# Altium PCB spd150.PcbDoc (part 8 of 15) (continued)
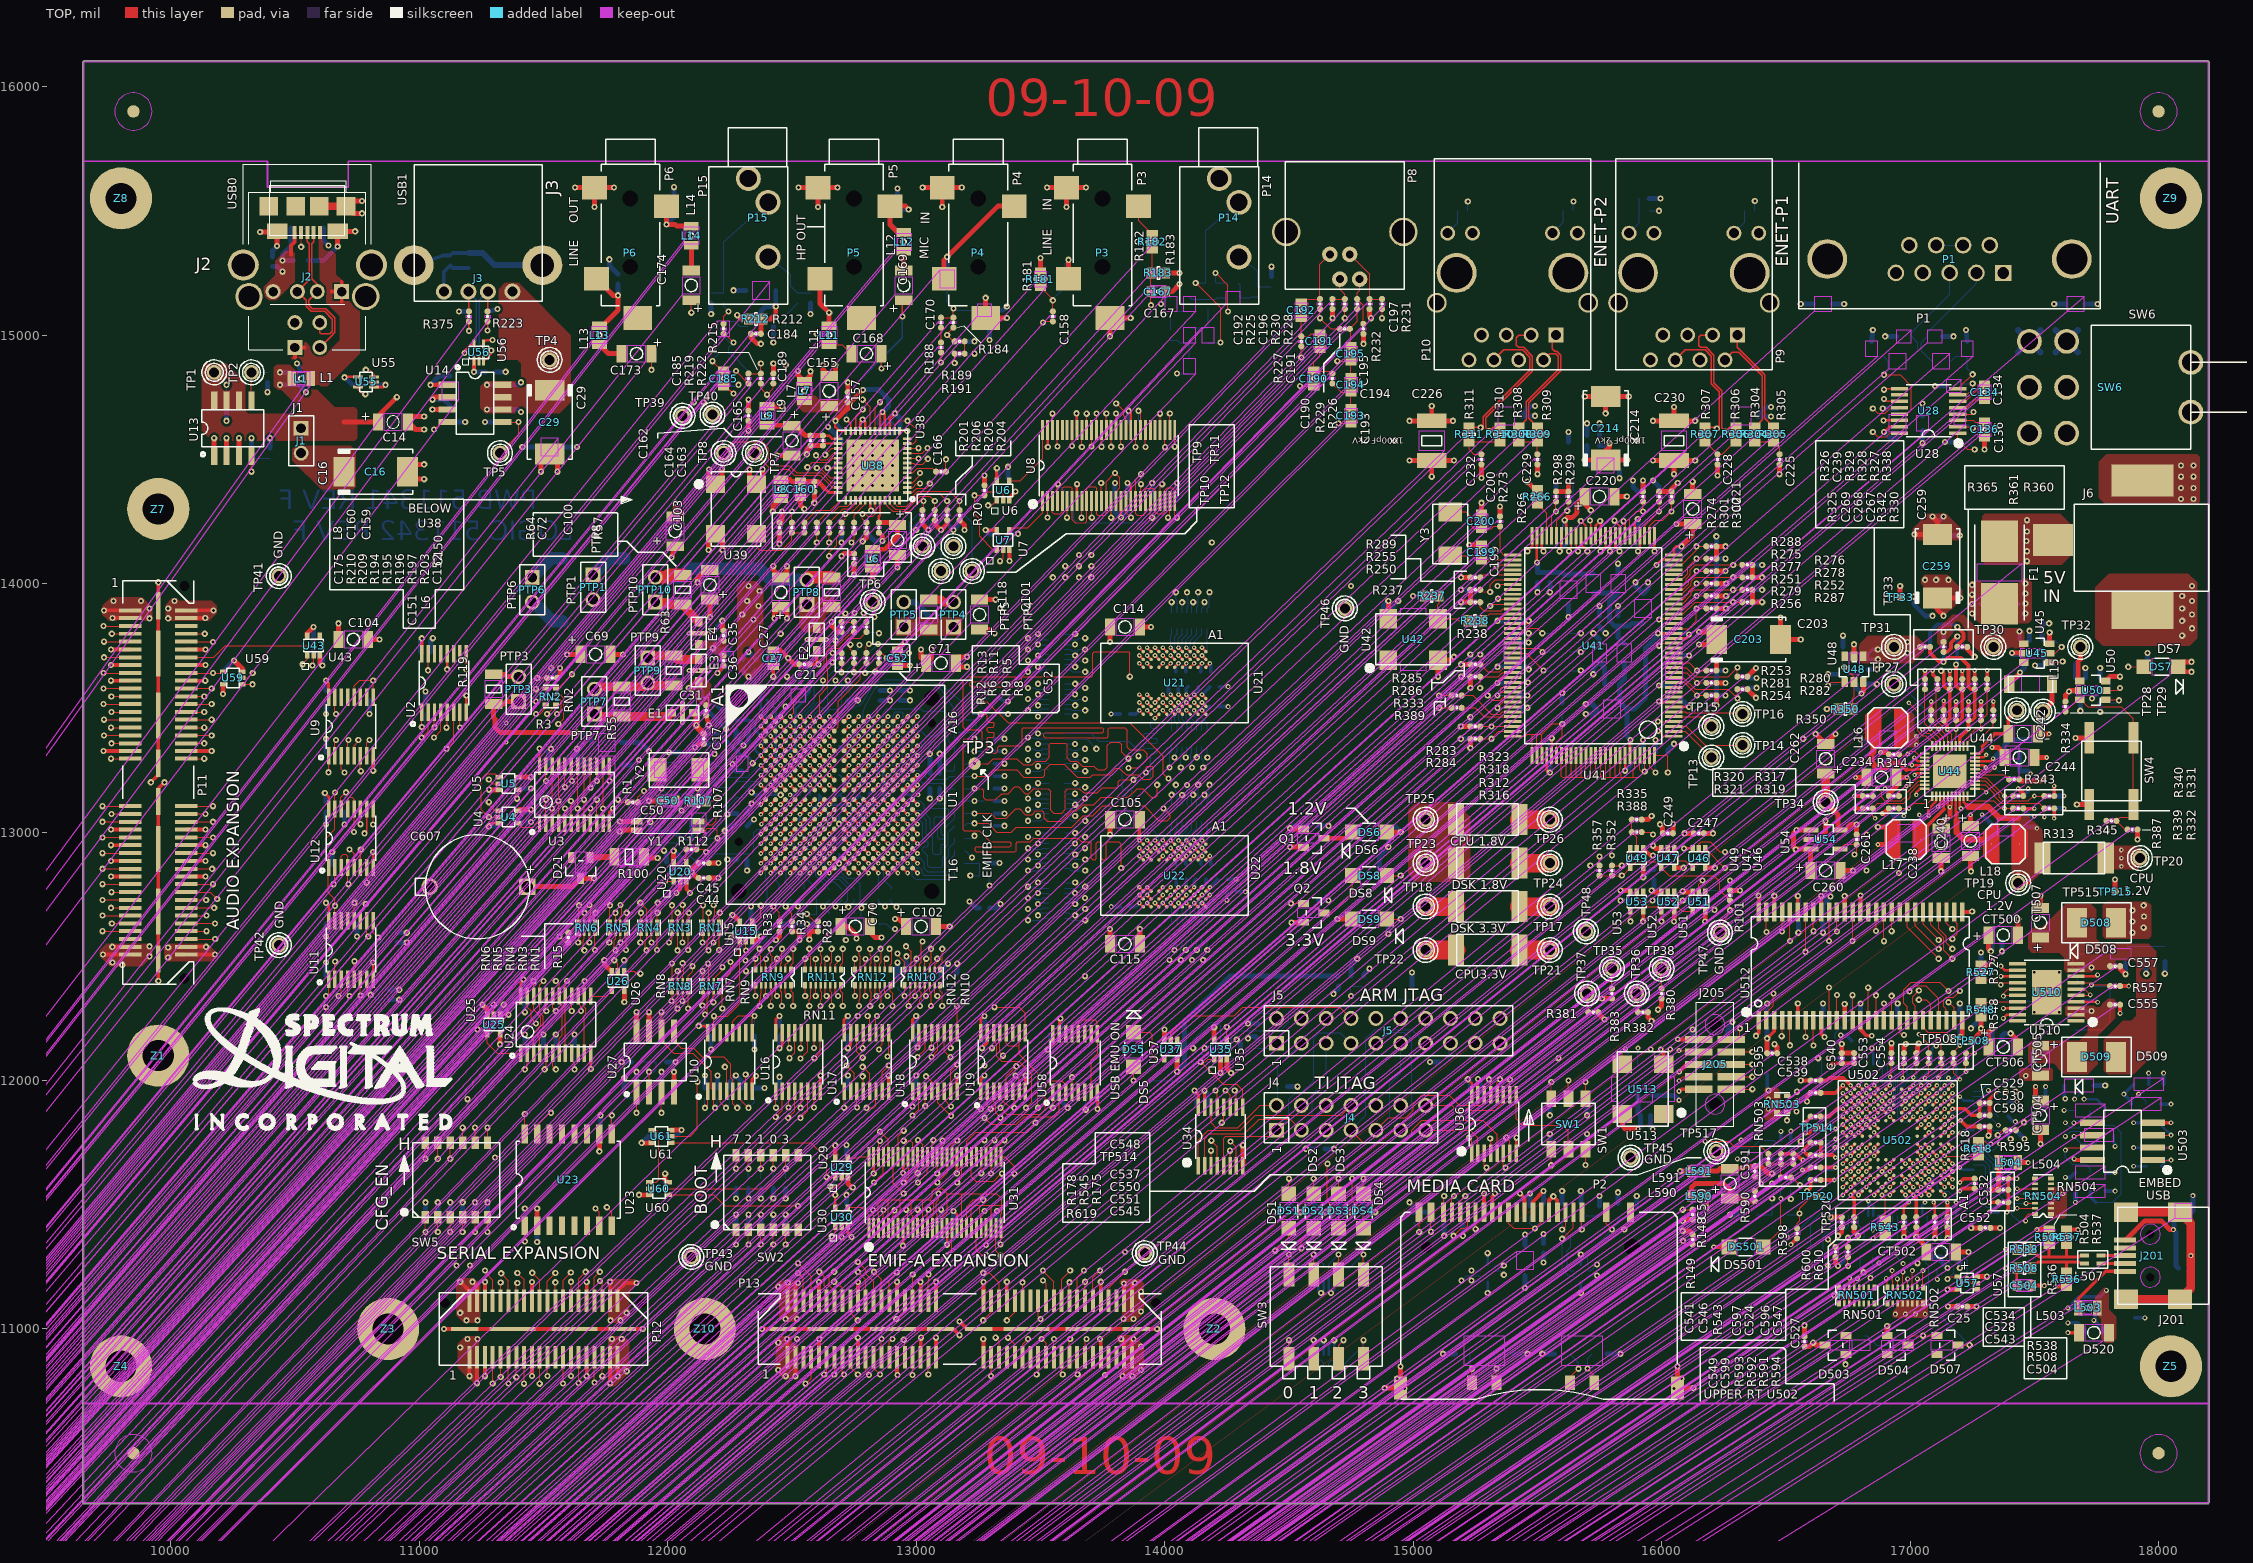
[diagram p0: TOP view]
## Nets (pads, with @x,y where several pads share a name; then routed paths per layer and width w, separated by ;. In a path a pad name is that pad's centre, name@x,y a point inside that pad or via, vN(x,y) a via of type N, cw(c..) or ccw(c..) an arc to the next point about the centre after c; other vN are vias at no path point) (continued)
  LYR2-PLN w10: 10395,12545 TP42.1@10435,12545 ; 10395,14030 TP41.1@10435,14030 ; 10412,15135 J2.4A@10412,15175 ; 10412,15215 J2.4A@10412,15175 ; 10435,12505 TP42.1@10435,12545 ; 10435,12585 TP42.1@10435,12545 ; 10435,13990 TP41.1@10435,14030 ; 10435,14070 TP41.1@10435,14030 ; 10452,15175 J2.4A@10412,15175 ; 10460,15050 J2.4B@10500,15050 ; 10475,12545 TP42.1@10435,12545 ; 10475,14030 TP41.1@10435,14030 ; 10500,15010 J2.4B@10500,15050 ; 10500,15090 J2.4B@10500,15050 ; 10540,15050 J2.4B@10500,15050 ; 10998.5,12780 C607.2@11042,12780 ; 11042,12736.5 C607.2@11042,12780 ; 11042,12823.5 C607.2@11042,12780 ; 11056.9,15175 J3.4@11099.4,15175 ; 11085.5,12780 C607.2@11042,12780 ; 11099.4,15132.5 J3.4@11099.4,15175 ; 11099.4,15217.5 J3.4@11099.4,15175 ; 11141.9,15175 J3.4@11099.4,15175 ; 12055,11290 TP43.1@12095,11290 ; 12095,11250 TP43.1@12095,11290 ; 12095,11330 TP43.1@12095,11290 ; 12135,11290 TP43.1@12095,11290 ; 12265,15630 P15.1@12325,15630 ; 12325,15570 P15.1@12325,15630 ; 12385,15630 P15.1@12325,15630 ; 13880,11305 TP44.1@13920,11305 ; 13920,11265 TP44.1@13920,11305 ; 13920,11345 TP44.1@13920,11305 ; 13960,11305 TP44.1@13920,11305 ; 14160,15630 P14.1@14220,15630 ; 14220,15570 P14.1@14220,15630 ; 14280,15630 P14.1@14220,15630 ; 14510,11900 J4.4@14550,11900 ; 14510,12250 J5.4@14550,12250 ; 14550,11860 J4.4@14550,11900 ; 14550,11940 J4.4@14550,11900 ; 14550,12210 J5.4@14550,12250 ; 14550,12290 J5.4@14550,12250 ; 14590,11900 J4.4@14550,11900 ; 14590,12250 J5.4@14550,12250 ; 14610,11900 J4.6@14650,11900 ; 14610,12250 J5.6@14650,12250 ; 14650,11860 J4.6@14650,11900 ; 14650,11940 J4.6@14650,11900 ; 14650,12210 J5.6@14650,12250 ; 14650,12290 J5.6@14650,12250 ; 14685,13900 TP46.1@14725,13900 ; 14690,11900 J4.6@14650,11900 ; 14690,12250 J5.6@14650,12250 ; 14725,13860 TP46.1@14725,13900 ; 14725,13940 TP46.1@14725,13900 ; 14765,13900 TP46.1@14725,13900 ; 14810,11900 J4.10@14850,11900 ; 14810,12250 J5.10@14850,12250 ; 14850,11860 J4.10@14850,11900 ; 14850,11940 J4.10@14850,11900 ; 14850,12210 J5.10@14850,12250 ; 14850,12290 J5.10@14850,12250 ; 14890,11900 J4.10@14850,11900 ; 14890,12250 J5.10@14850,12250 ; 14910,11900 J4.12@14950,11900 ; 14910,12250 J5.12@14950,12250 ; 14950,11860 J4.12@14950,11900 ; 14950,11940 J4.12@14950,11900 ; 14950,12210 J5.12@14950,12250 ; 14950,12290 J5.12@14950,12250 ; 14990,11900 J4.12@14950,11900 ; 14990,12250 J5.12@14950,12250 ; 15010,12250 J5.14@15050,12250 ; 15050,12210 J5.14@15050,12250 ; 15050,12290 J5.14@15050,12250 ; 15090,12250 J5.14@15050,12250 ; 15110,12250 J5.16@15150,12250 ; 15150,12210 J5.16@15150,12250 ; 15150,12290 J5.16@15150,12250 ; 15190,12250 J5.16@15150,12250 ; 15210,12250 J5.18@15250,12250 ; 15250,12210 J5.18@15250,12250 ; 15250,12290 J5.18@15250,12250 ; 15290,12250 J5.18@15250,12250 ; 15310,12250 J5.20@15350,12250 ; 15350,12210 J5.20@15350,12250 ; 15350,12290 J5.20@15350,12250 ; 15390,12250 J5.20@15350,12250 ; 15835,11690 TP45.1@15875,11690 ; 15875,11650 TP45.1@15875,11690 ; 15875,11730 TP45.1@15875,11690 ; 15915,11690 TP45.1@15875,11690 ; 16899.5,15250 P1.5@16943,15250 ; 16943,15206.5 P1.5@16943,15250 ; 16943,15293.5 P1.5@16943,15250 ; 16986.5,15250 P1.5@16943,15250
  LYR2-PLN w20: v1(15995,15550) 16060,15485 16060,15185
  LYR5-PLN w10: 10395,12545 TP42.1@10435,12545 ; 10395,14030 TP41.1@10435,14030 ; 10435,12505 TP42.1@10435,12545 ; 10435,12585 TP42.1@10435,12545 ; 10435,13990 TP41.1@10435,14030 ; 10435,14070 TP41.1@10435,14030 ; 10475,12545 TP42.1@10435,12545 ; 10475,14030 TP41.1@10435,14030 ; 10998.5,12780 C607.2@11042,12780 ; 11042,12736.5 C607.2@11042,12780 ; 11042,12823.5 C607.2@11042,12780 ; 11056.9,15175 J3.4@11099.4,15175 ; 11085.5,12780 C607.2@11042,12780 ; 11099.4,15132.5 J3.4@11099.4,15175 ; 11099.4,15217.5 J3.4@11099.4,15175 ; 11141.9,15175 J3.4@11099.4,15175 ; 12055,11290 TP43.1@12095,11290 ; 12095,11250 TP43.1@12095,11290 ; 12095,11330 TP43.1@12095,11290 ; 12135,11290 TP43.1@12095,11290 ; 12265,15630 P15.1@12325,15630 ; 12325,15570 P15.1@12325,15630 ; 12385,15630 P15.1@12325,15630 ; 13880,11305 TP44.1@13920,11305 ; 13920,11265 TP44.1@13920,11305 ; 13920,11345 TP44.1@13920,11305 ; 13960,11305 TP44.1@13920,11305 ; 14160,15630 P14.1@14220,15630 ; 14220,15570 P14.1@14220,15630 ; 14280,15630 P14.1@14220,15630 ; 14510,11900 J4.4@14550,11900 ; 14510,12250 J5.4@14550,12250 ; 14550,11860 J4.4@14550,11900 ; 14550,11940 J4.4@14550,11900 ; 14550,12210 J5.4@14550,12250 ; 14550,12290 J5.4@14550,12250 ; 14590,11900 J4.4@14550,11900 ; 14590,12250 J5.4@14550,12250 ; 14610,11900 J4.6@14650,11900 ; 14610,12250 J5.6@14650,12250 ; 14650,11860 J4.6@14650,11900 ; 14650,11940 J4.6@14650,11900 ; 14650,12210 J5.6@14650,12250 ; 14650,12290 J5.6@14650,12250 ; 14685,13900 TP46.1@14725,13900 ; 14690,11900 J4.6@14650,11900 ; 14690,12250 J5.6@14650,12250 ; 14725,13860 TP46.1@14725,13900 ; 14725,13940 TP46.1@14725,13900 ; 14765,13900 TP46.1@14725,13900 ; 14810,11900 J4.10@14850,11900 ; 14810,12250 J5.10@14850,12250 ; 14850,11860 J4.10@14850,11900 ; 14850,11940 J4.10@14850,11900 ; 14850,12210 J5.10@14850,12250 ; 14850,12290 J5.10@14850,12250 ; 14890,11900 J4.10@14850,11900 ; 14890,12250 J5.10@14850,12250 ; 14910,11900 J4.12@14950,11900 ; 14910,12250 J5.12@14950,12250 ; 14950,11860 J4.12@14950,11900 ; 14950,11940 J4.12@14950,11900 ; 14950,12210 J5.12@14950,12250 ; 14950,12290 J5.12@14950,12250 ; 14990,11900 J4.12@14950,11900 ; 14990,12250 J5.12@14950,12250 ; 15010,12250 J5.14@15050,12250 ; 15050,12210 J5.14@15050,12250 ; 15050,12290 J5.14@15050,12250 ; 15090,12250 J5.14@15050,12250 ; 15110,12250 J5.16@15150,12250 ; 15150,12210 J5.16@15150,12250 ; 15150,12290 J5.16@15150,12250 ; 15190,12250 J5.16@15150,12250 ; 15210,12250 J5.18@15250,12250 ; 15250,12210 J5.18@15250,12250 ; 15250,12290 J5.18@15250,12250 ; 15290,12250 J5.18@15250,12250 ; 15310,12250 J5.20@15350,12250 ; 15350,12210 J5.20@15350,12250 ; 15350,12290 J5.20@15350,12250 ; 15390,12250 J5.20@15350,12250 ; 15835,11690 TP45.1@15875,11690 ; 15875,11650 TP45.1@15875,11690 ; 15875,11730 TP45.1@15875,11690 ; 15915,11690 TP45.1@15875,11690 ; 16899.5,15250 P1.5@16943,15250 ; 16943,15206.5 P1.5@16943,15250 ; 16943,15293.5 P1.5@16943,15250 ; 16986.5,15250 P1.5@16943,15250
  BOTTOM w10: v2(12493,13150) C53.2@12532,13150 ; 12507.5,13625 C23.2@12530,13625 ; 12507.5,13675 C22.2@12530,13675 ; 12530,13602.5 C23.2@12530,13625 ; 12530,13647.5 C23.2@12530,13625 ; 12530,13652.5 C22.2@12530,13675 ; 12530,13697.5 C22.2@12530,13675 ; v1(12690,12874) C98.1@12690,12910 ; v2(12808.3,12992.4) 12808.3,12992.3 C87.1@12789,12973 12769.6,12992.4 v2(12768.9,12992.4) ; C54.2@12850,13150 v2(12887,13150) 12868,13169 C91.1@12868,13328 ; C95.1@12965,13150 v2(13008,13150) ; RN24.4@14617.6,11204.5 14617.6,11157.4 v1(14630,11145) 14640.2,11155.2 RN24.3@14640.2,11204.5 ; RN24.2@14659.8,11204.5 14659.8,11155.2 v1(14670,11145) 14682.4,11157.4 RN24.1@14682.4,11204.5 ; v1(15300,11145) U33.5@15300,11191 ; v1(15675,11145) U32.5@15675,11191 ; U511.87@16645,11740.3 16687.3,11740.3 v2(16697.5,11730.1) ; U511.91@16645,11819.1 16685.9,11819.1 v2(16700,11805) ; v4(16670,12090) 16670.8,12090.8 16713.6,12090.8 U511.1@16713.6,12065 ; U511.69@16831.8,11455 v2(16831.8,11515) 16851.5,11495.3 U511.68@16851.5,11455 ; U511.9@16871.2,12065 16871.2,12136.2 v4(16885,12150) ; v2(17185,11510) 17186.4,11508.6 U511.51@17186.4,11455 ; v2(17202,11790) 17211.4,11799.4 U511.36@17255,11799.4 ; C96.1@12592,13012 12592,13012.5 v2(12611.3,13031.8) ; C96.1@12592,13012 12572.4,12992.4 v2(12571.9,12992.4) 12591.3,12973 C89.1@12592,12973 12592,12973.1 v2(12611.3,12992.4) ; C96.1@12592,13012 12611.3,12992.7 v2(12611.3,12992.4) ; v2(12611.3,12992.4) 12630,13011.1 C86.1@12630,13012 ; v2(12611.3,13031.8) 12611.3,13032.3 C62.1@12631,13052 ; v2(12611.3,13031.8) 12630,13013.1 C86.1@12630,13012 ; C86.1@12630,13012 12630.9,13012 v2(12650.7,13031.8) 12650.7,13032.3 C62.1@12631,13052 ; C62.1@12631,13052 12631.5,13052 v2(12650.7,13071.2) 12631,13090.9 C65.1@12631,13091 12631.1,13091 v2(12650.7,13110.6) 12651.3,13110 C64.1@12690,13110 12690.6,13110.6 v2(12729.5,13110.6) 12748,13092.1 C77.1@12748,13091 12729.5,13072.5 v2(12729.5,13071.2) 12729.8,13071.2 C73.1@12749,13052 ; C73.1@12749,13052 12768.9,13032.1 v2(12768.9,13031.8) ; C73.1@12749,13052 12729.5,13032.5 v2(12729.5,13031.8) 12749.3,13012 C83.1@12750,13012 ; C83.1@12750,13012 12750,13012.9 v2(12768.9,13031.8) ; C83.1@12750,13012 12750,13011.3 v2(12768.9,12992.4) ; v2(12768.9,12992.4) 12788,13011.5 C80.1@12788,13012 12768.9,13031.1 v2(12768.9,13031.8)
  BOTTOM w15: J3.4@11099.4,15175 11099.4,15254.4 C271.1@11125,15280 11135,15270 R392.1@11200,15270 ; v1(12338,13160) 12348,13150 C88.1@12375,13150 ; v3(13785,13475) C120.2@13820.1,13475 ; v3(13785.1,12700) C109.2@13820.1,12700 ; C113.2@14045.1,12870 14045.1,12893.1 v2(14055.8,12903.8) ; C118.2@14045.1,13645 14045.1,13668.1 v2(14055.8,13678.8) ; C116.2@14055.1,13585 14055.1,13553.5 v2(14055.8,13552.8) ; C119.2@14086.6,12810 14086.6,12778.5 v2(14087.3,12777.8) ; v2(14118.8,13552.8) 14118.8,13558.7 14135.1,13575 C110.2@14135.1,13585 ; v2(14150.3,12777.8) 14166.6,12794.1 C108.2@14166.6,12810 ; v2(14181.8,12903.8) 14185.1,12900.5 C106.2@14185.1,12870 ; v2(14181.8,13678.8) 14185.1,13675.5 C111.2@14185.1,13645 ; C117.2@14220.1,13505 v3(14255.1,13505) ; C121.2@14220.1,13585 v3(14255.1,13585) ; C107.2@14251.6,12810 v3(14286.6,12810) ; C112.2@14290.1,12760 v3(14325.1,12760) ; v3(16305,11685) C518.2@16345,11685 ; v3(16320,11760) R599.2@16355,11760 ; C593.2@16480,11760 v3(16480,11795) ; v3(17320,11470) R612.2@17355,11470 ; R341.2@17455,13095 17455,13094 17486,13063 v2(17500,13063) ; R344.2@17455,13145 17475,13165 v2(17475,13175) ; v3(17515,11360) 17535,11340 C502.2@17560,11340 ; C544.2@17545,11940 v3(17545,11975) ; v3(17625,11610) 17645,11610 JP505.3@17665,11630 ; v3(17635,11025) 17675,11025 17710,10990 R535.2@17710,10985 ; JP503.3@17890,11905 17890,11915 v3(17860,11945) JP502.3@17900,11985 ; C531.2@17905,11045 v3(17945,11045)
  BOTTOM w20: C266.2@10210,13640 10210,13645 v1(10255,13690) ; v1(10225,14655) R224.2@10225,14705 ; R56.2@10325,14545 v1(10325,14585) ; C270.1@10410,15275 10430,15275 v1(10450,15255) ; R58.2@10485,15430 10485,15360 10450,15325 v1(10450,15300) R391.1@10495,15300 ; v1(10508,14885) 10520,14873 C15.2@10520,14850 ; R52.2@10520,14800 10520,14795 v1(10545,14770) ; C233.2@10575,13730 10610,13695 v1(10610,13670) ; R49.2@10625,12420 v1(10625,12475) ; v1(10625,12580) C11.2@10625,12630 ; v1(10625,13030) C12.2@10625,13080 ; R46.2@10625,13320 v1(10625,13375) ; v1(10625,13475) C9.2@10625,13530 ; R50.2@10650,12870 v1(10650,12920) ; v1(10700,13030) R51.2@10700,13080 ; v1(10700,14830) 10730,14800 C264.2@10780,14800 ; v1(10750,12580) R48.2@10750,12630 ; v1(10800,13475) R44.2@10800,13530 ; R38.2@10880,12365 v1(10920,12365) ; R36.2@10910,12595 v1(10950,12595) ; R18.2@11025,13520 v1(11025,13565) ; C1.2@11045,13725 11045,13770 v1(11055,13780) ; v1(11045,14800) 11080,14835 C28.2@11125,14835 ; R62.1@11145,14650 v1(11185,14650) ; v1(11160,15095) R393.2@11200,15095 ; v1(11235,12205) R137.2@11275,12205 ; R120.1@11275,15095 v1(11315,15105) ; v1(11280,13023) 11280,13024 11281,13025 11320,13025 R19.2@11335,13040 ; C263.2@11307.3,14852 v1(11348,14852) ; C124.2@11325,12245 11325,12290 v1(11340,12305) ; R60.2@11370,14700 11400,14700 v1(11410,14690) ; C30.2@11370,14800 11400,14800 v1(11410,14810) ; C3.2@11410,13040 v1(11450,13040) ; C4.2@11410,13175 v1(11450,13175) ; v1(11415,14550) C13.2@11465,14550 ; v1(11425,12275) C123.2@11425,12330 ; v1(11475,11350) C122.2@11475,11405 ; C2.2@11520,13275 11520,13325 v1(11530,13335) ; v1(11635,13335) 11635,13300 11665,13270 L25.2@11695,13270 ; v1(11765,15305) 11765,15280 R192.2@11800,15245 ; v1(11815,12075) R142.2@11855,12075 ; R141.2@11825,11970 v1(11825,12010) ; C125.2@11825,12420 v1(11825,12484) ; v1(11885,11540) 11925,11540 C273.2@11950,11565 ; C126.1@11920,12225 11925,12230 v1(11925,12275) ; R105.2@11930,13000 v1(11930,13040) ; v1(11985,12925) 11995,12915 C275.2@11995,12880 ; C274.2@11995,11775 12030,11775 v1(12055.6,11800.6) ; v1(12005,13320) R109.2@12045,13320 ; R143.2@12025,11970 v1(12025,12035) ; R193.2@12025,15545 v1(12025,15595) ; v1(12035,12755) 12050,12770 C51.2@12050,12820 ; v1(12110,13340) 12125,13355 C18.2@12145,13355 C19.2@12200,13355 ; C34.2@12140,13480 12170,13480 v1(12235,13415) ; R47.2@12150,11970 v1(12150,12020) ; v1(12175,12125) C10.2@12175,12180 ; v1(12175,15085) C187.2@12175,15130 ; C37.2@12195,13820 v1(12220,13850) ; v1(12200,13640) 12225,13665 C38.2@12240,13665 ; v1(12230,13005) 12250,13025 C94.1@12280,13025 ; v1(12240,12890) C81.1@12280,12890 ; v1(12240,13070) 12245,13075 C61.1@12280,13075 ; v1(12261,13274) 12261,13259 12275,13245 C20.2@12300,13245 ; v1(12265,15180) C183.2@12315,15180 ; v1(12275,11525) R127.2@12275,11565 ; C33.2@12275,13410 12275,13378 v1(12305,13348) 12325,13368 C32.2@12325,13410 ; C57.2@12303,13695 12303,13703 v1(12325,13725) 12350,13700 C58.2@12354.8,13691.7 ; v1(12325,11525) R128.2@12325,11565 ; C39.2@12335,12645 v1(12335,12700) ; R74.2@12340,12595 12360,12595 v1(12375,12580) ; v1(12350,12125) R45.2@12350,12180 ; v1(12375,11525) R129.2@12375,11565 ; v1(12425,11525) R130.2@12425,11565 ; C26.2@12425,13720 12465,13720 v1(12485,13700) ; v1(12425,14970) U40.7@12425,15035 ; R83.2@12450,11970 v1(12450,12015) ; v1(12450,12130) C40.2@12450,12180 ; v1(12475,11525) R124.1@12475,11565 ; v1(12575,15085) C188.2@12575,15130 ; v1(12600,15005) R185.2@12650,15005 ; v1(12645,14630) 12680,14595 12680,14590.8 12690.8,14580 C153.2@12700,14580 ; v1(12675,13770) 12700,13795 R17.2@12700,13805 ; v1(12700,14165) R202.2@12700,14205 ; C138.2@12720,11500 v1(12720,11540) ; R151.2@12720,11600 12720,11590 12740,11570 v1(12745,11570) ; C137.2@12720,11700 v1(12720,11740) ; R84.2@12725,11970 v1(12725,12020) ; v1(12725,12130) C41.2@12725,12180 ; C99.1@12725,13570 v1(12725,13610) ; R208.2@12800,14205 12834,14171 v1(12865,14171) ; C156.2@12850,14605 C154.2@12900,14605 12915,14605 12935,14625 12935,14665 v1(12915,14685) ; C79.1@12855,13570 v1(12895,13570) ; C55.2@12925,13720 v1(12971,13720) ; R186.2@12925,15545 v1(12925,15590) ; C78.1@12935,13570 v1(12975,13570) ; v1(12961,12500) 12960,12499 12960,12455 12975,12440 R68.1@12975,12415 ; R88.2@13000,11970 v1(13000,12020) ; C42.2@13000,12180 13000,12151 13005,12146 v1(13005,12133) ; v1(13000,14215) 13000,14230 R207.2@13025,14255 ; v1(13095,13135) C63.1@13095,13175 ; C84.1@13095,13235 C82.1@13095,13275 v1(13095,13315) ; C139.2@13100,11420 v1(13100,11480) ; C140.2@13150,11420 v1(13150,11475) ; R71.2@13150,12420 13165,12435 v1(13165,12470) ; C172.2@13195,14975 v1(13235,14975) ; v1(13265,12130) 13275,12140 C43.2@13275,12180 ; R89.2@13275,11970 v1(13275,12020) ; C93.1@13295,12695 13325,12695 v1(13340,12710) ; R85.2@13295,12875 v1(13335,12875) ; v1(13295,14980) R187.2@13295,15025 ; C171.2@13305,15100 13350,15100 v1(13365,15115) ; R153.2@13325,11420 v1(13325,11475) ; C5.2@13370,14200 v1(13410,14200) ; C6.2@13370,14425 v1(13370,14470) ; C161.2@13500,15255 v1(13500,15310) ; R384.2@13565,11950 13565,11935 v1(13610,11890) ; C265.2@13580,12185 v1(13580,12250) ; v1(13729.6,11885) 13730,11885.4 R152.2@13730,11955 ; C7.2@13800,14345 v1(13800,14405) ; C8.2@13850,14345 v1(13850,14405) ; R22.2@13855,14650 v1(13855,14695) ; R21.1@13950,14345 v1(13950,14405) ; R23.2@14050,14345 v1(14050,14405) ; v1(14160,12130) C145.2@14200,12130 ; v1(14161,11959) 14170,11950 C143.2@14170,11900 ; v1(14290,12165) 14305,12150 C144.2@14305,12130 ; R390.2@14430,15235 v1(14430,15275) ; R169.2@14495,11975 v1(14535,11975) ; v1(14568,11725) C146.2@14605,11725 ; v1(14679,12349) 14700,12370 C148.2@14700,12380 ; C149.2@14800,12420 14800,12425 v1(14825,12450) ; C198.2@14920,13875 14920,13910 v1(14940,13930) ; v1(15261,12006) 15270,11997 C147.2@15270,11950 ; v1(15340,13600) C209.2@15380,13600 ; v1(15340,13665) C202.2@15400,13665 15455,13665 v1(15465,13655) ; v1(15340,13850) C204.2@15380,13850 ; R291.2@15420,13550 v1(15460,13550) ; v1(15450,11165) C141.2@15450,11215 ; R166.2@15470,11495 v1(15470,11545) ; v1(15490,14675) C227.2@15435,14675 15475,14715 v1(15490,14715) ; v1(15500,13965) C218.2@15500,14005 ; v1(15525,11268) C142.1@15525,11305 ; v1(15550,13240) C205.2@15550,13280 ; v1(15550,13965) C219.2@15550,14005 ; v1(15590,14130) 15590,14135 C224.2@15625,14170 ; v1(15625,13865) C217.2@15625,13915 ; v1(15695,13475) 15720,13475 C211.2@15740,13495 15720,13515 v1(15695,13515) ; R113.2@15700,11745 v1(15700,11785) ; v1(15700,11860) R114.2@15700,11905 ; C215.2@15700,14595 v1(15700,14645) ; R165.2@15750,11495 v1(15750,11535) ; C207.2@15750,13870 v1(15750,13910) ; C216.2@15750,14595 v1(15750,14645) ; C213.2@15825,13870 v1(15825,13910) ; v1(15835,12765) C255.2@15875,12765 ; v1(15853.1,13246.9) 15875,13268.8 C208.2@15875,13280 ; v1(15895,14005) 15895,13990 C212.2@15925,13960 15945,13980 v1(15945,14005) ; R164.2@15900,11495 v1(15900,11535) ; v1(15905,14130) C222.2@15905,14170 ; R293.2@15925,13320 v1(15925,13370) ; R233.1@15950,15550 v1(15995,15550) ; C606.2@15955,11860 15955,11814 v4(15965,11804) ; C251.2@15970,12810 15970,12775 v1(15960,12765) C257.2@16000,12765 ; R302.2@15975,13320 v1(15975,13370) ; v1(15980,14075) C223.2@16045,14075 ; R303.2@16025,13320 16025,13330 v1(16050,13355) ; C201.2@16050,13710 v1(16110,13710) ; C206.2@16070,13525 16088.7,13525 v1(16110,13503.7) ; C210.2@16070,13800 16105,13800 v1(16110,13795) ; v1(16085,12762) 16122,12762 C256.2@16125,12765 ; C258.2@16175,12725 16175,12700 16188,12687 v1(16213,12687) ; R552.1@16265,12165 16265,12200 v1(16285,12235) ; R102.2@16275,12765 v1(16275,12805) ; C603.2@16425,12255 v1(16425,12310) ; v1(16440,14672) 16388,14672 C231.2@16385,14675 16420,14710 v1(16440,14710) ; v1(16550,12595) C605.2@16550,12665 ; v1(16560,15125) L2.1@16612,15125 ; C602.2@16650,12255 v1(16650,12310) ; v1(16650,12595) C604.2@16650,12640 ; R373.2@16660,13000 v1(16660,13045) ; v1(16670,13635) C252.2@16710,13635 ; R351.1@16730,13745 v1(16730,13790) ; v2(16799,13370) C236.2@16850,13370 ; C600.2@16800,12255 v1(16800,12310) ; C250.2@16825,13595 v1(16866,13595) ; v2(16879,13290) 16910,13290 R315.2@16915,13295 ; v1(16890,14705) C128.2@16950,14705 ; v2(16899.6,13175.4) 16915,13160 C235.2@16915,13145 ; R324.2@16915,13095 16915,13085.8 16935.8,13065 v2(16975,13065) ; v1(17015,13947) 17015,13916.7 17061.7,13870 v1(17090,13870) ; v2(17037,13069) 17045,13061 C237.2@17045,12995 ; C127.2@17050,14675 v1(17050,14725) ; C594.2@17075,11290 R603.2@17125,11290 17125,11271 v1(17151,11245) ; v1(17100,14795) C135.2@17145,14795 ; v1(17135,14270) 17110,14245 D1.2@17110,14193 v1(17200,14193) ; v1(17140,14570) R150.1@17180,14570 ; C601.2@17200,12255 v1(17200,12310) ; v1(17245,12210) 17285,12250 R549.2@17285,12255 ; R528.2@17285,12465 v1(17285,12515) ; v2(17290,13070) 17325,13035 C241.2@17325,13020 ; C556.2@17370,12160 17370,12180 17380,12190 v1(17405,12190) ; v1(17370,12520) C526.2@17370,12560 ; v1(17410,13720) 17415,13715 C246.2@17460,13715 ; C592.2@17425,11800 v1(17460,11765) ; C243.2@17440,13320 C245.2@17440,13245 17475,13245 v2(17485,13235) ; v1(17503,13670) C248.2@17540,13670 R348.1@17540,13720 ; R337.2@17580,13095 v2(17620,13095) ; R336.2@17580,13145 v2(17620,13145) ; v1(17639,13565) C253.2@17685,13565 ; v3(17665,11510) JP501.3@17665,11555 ; L5.1@17703,15125 v1(17755,15125) ; v1(17732,13537) R356.1@17765,13570 ; JP504.3@17740,11980 v1(17785,11980) ; v1(17765,13483) C254.2@17765,13520 ; v1(17867,12428) Q501.S@17867,12472 ; v1(17950,12430) R555.2@17950,12480 ; L505.2@18138,11475 v3(18138,11537)
  other v1: 14965,10760 16050,10760 14935,10800 16080,10800 12520,10960 13275,11475 12480,13625 18095,13790 12455,13798 18135,13820 18095,13850 18135,13875 18095,13900 18135,13930 18095,13950 18135,13990 18090,14340 18140,14340 18090,14385 18140,14385 18090,14430 18140,14430 18090,14475 18140,14475
  other v2: 17160,13245 11350,13361 11350,13439 12060,13441 12060,13519 12086,13650 12164,13650 12561,13775 12639,13775 12086,13800 12164,13800
  other v3: 17500,12275 17600,12275 17500,12355 17600,12355 17500,12435 17600,12435
  other v4: 17465,12020 15957,12126 16034.4,12125.5
GND_E_ENET: C226.1 C230.1 P9.8 P9.SH1 P9.SH2 P10.8 P10.SH1 P10.SH2 | length 1380
  TOP w20: v1(14985,14655) C226.1@15075,14655 ; v1(15075,14715) C226.1@15075,14655 ; v1(15160,14655) C226.1@15075,14655 ; v1(15965,14655) C230.1@16050,14655 ; v1(16050,14710) C230.1@16050,14655 ; v1(16135,14655) C230.1@16050,14655
  LYR4-SIG w10: 15045,15130 P10.SH2@15095,15130 ; 15095,15080 P10.SH2@15095,15130 ; 15145,15130 P10.SH2@15095,15130 ; 15185,14900 P10.8@15225,14900 ; 15225,14860 P10.8@15225,14900 ; 15225,14940 P10.8@15225,14900 ; 15265,14900 P10.8@15225,14900 ; 15655,15130 P10.SH1@15705,15130 ; 15705,15080 P10.SH1@15705,15130 ; 15755,15130 P10.SH1@15705,15130 ; 15775,15130 P9.SH2@15825,15130 ; 15825,15080 P9.SH2@15825,15130 ; 15875,15130 P9.SH2@15825,15130 ; 15915,14900 P9.8@15955,14900 ; 15955,14860 P9.8@15955,14900 ; 15955,14940 P9.8@15955,14900 ; 15995,14900 P9.8@15955,14900 ; 16385,15130 P9.SH1@16435,15130 ; 16435,15080 P9.SH1@16435,15130 ; 16485,15130 P9.SH1@16435,15130
GND_E_RS232: C129.2 C130.2 C131.2 C132.2 L2.2 L5.2 P1.10 P1.11 | length 994.6
  LYR3-SIG w10: 16577,15306 P1.10@16667,15306 ; 16667,15216 P1.10@16667,15306 ; 16667,15396 P1.10@16667,15306 ; 16757,15306 P1.10@16667,15306 ; 17561,15306 P1.11@17651,15306 ; 17651,15216 P1.11@17651,15306 ; 17651,15396 P1.11@17651,15306 ; 17741,15306 P1.11@17651,15306
  BOTTOM w20: L2.2@16688,15125 v1(16735,15125) ; C129.2@16845,14975 v1(16850,15020) ; v1(16900,14995) C130.2@16945,14995 ; C132.2@17130,14995 v1(17175,14995) ; v1(17225,15020) C131.2@17230,14975 ; v1(17580,15125) L5.2@17627,15125
GND_EARTH: C270.2 J2.1 J2.2 J2.3 J2.4 J2.5 J2.6 J2.7 J2.8 R391.2 | length 1331.3
  TOP w20: v1(10360,15415) 10425.6,15415 J2.6@10428.1,15417.5 v1(10428.1,15358.1) ; v1(10671.9,15356.9) J2.5@10671.9,15417.5 v1(10742.5,15417.5) ; v1(10770,15490) 10733.3,15490 J2.7@10705.4,15517.9 10727.5,15540 v1(10770,15540)
  TOP w30: J2.8@10597.3,15517.9 J2.7@10705.4,15517.9
  LYR5-PLN w10: 10219.5,15282 J2.4@10292,15282 ; 10250,15155 J2.2@10315,15155 10315,15090 ; 10292,15354.5 J2.4@10292,15282 ; 10364.5,15282 J2.4@10292,15282 ; 10735.5,15282 J2.3@10808,15282 10808,15354.5 ; 10785,15090 J2.1@10785,15155 10850,15155
  BOTTOM w20: C270.2@10410,15315 10410,15340 v1(10428.1,15358.1) ; R391.2@10555,15300 10615,15300 v1(10671.9,15356.9)
GP0: JP501.2 U502.F3 | length 1274.4
  TOP w10: U502.F3@17091.8,11712.7 v2(17107.5,11696.9)
  LYR3-SIG w4: v2(17107.5,11696.9) 17108.1,11696.9 17123.6,11681.4 17145.5,11681.4 17159.1,11695 17255,11695
  LYR3-SIG w5: 17255,11695 17260,11700 17390,11700 17430,11740 17465,11740 17515,11790 17585,11790 v3(17625,11830)
  BOTTOM w5: v3(17625,11830) 17645.3,11809.7 17680,11809.7 17690.3,11820 17820.4,11820 17850,11790.4 17850,11545 17815,11510 17747.5,11510
  BOTTOM w15: JP501.2@17725,11555 17725,11532.5 17747.5,11510
GP1: JP502.2 U502.E1 | length 1063.4
  TOP w10: U502.E1@17154.8,11681.2 v2(17170.5,11665.4)
  LYR3-SIG w4: v2(17170.5,11665.4) 17193.4,11665.4 17193.5,11665.5 17249.5,11665.5
  LYR3-SIG w5: 17249.5,11665.5 17395,11665.5 17439.5,11710 17540,11710 17585,11755 17680,11755 17707.5,11782.5 17807.5,11782.5 17955,11930 17955,12025 v3(17960,12030)
  BOTTOM w15: JP502.2@17960,11985 v3(17960,12030)

## Text inside footprints (layer, text, board x,y; h text height)
R112: PIN_NUMBER "2" at 12067,12930 h20 r180; PIN_NUMBER "1" at 12107,12930 h20 r180; ASSEMBLY_TOP "USERPART#" at 12095,13080 h25 r180; ASSEMBLY_TOP "TOLERANCE" at 12095,13030 h25 r180; ASSEMBLY_TOP "33" at 12095,12930 h25 r180; SYMBOL_PART_DIM "0" at 12187,12943 h25 r180; SYMBOL_PART_DIM "0" at 12103,13014 h25 r180; SYMBOL_PART_DIM "C402-35X32" at 12218,13068 h25 r180; SYMBOL_PART_DIM "PAD 35X32 OV" at 12218,13118 h25 r180
R113: PIN_NUMBER "2" at 15692,11745 h20 r270; PIN_NUMBER "1" at 15692,11705 h20 r270; ASSEMBLY_BOTTOM "USERPART#" at 15550,11725 h25 r270; ASSEMBLY_BOTTOM "TOLERANCE" at 15600,11725 h25 r270; ASSEMBLY_BOTTOM "2.2K" at 15700,11725 h25 r270; SYMBOL_PART_DIM "0" at 15687,11633 h25 r270; SYMBOL_PART_DIM "0" at 15616,11717 h25 r270; SYMBOL_PART_DIM "C402-35X32" at 15562,11602 h25 r270; SYMBOL_PART_DIM "PAD 35X32 OV" at 15512,11602 h25 r270
R114: PIN_NUMBER "2" at 15692,11905 h20 r90; PIN_NUMBER "1" at 15692,11945 h20 r90; ASSEMBLY_BOTTOM "USERPART#" at 15850,11925 h25 r90; ASSEMBLY_BOTTOM "TOLERANCE" at 15800,11925 h25 r90; ASSEMBLY_BOTTOM "2.2K" at 15700,11925 h25 r90; SYMBOL_PART_DIM "0" at 15713,12017 h25 r90; SYMBOL_PART_DIM "0" at 15784,11933 h25 r90; SYMBOL_PART_DIM "C402-35X32" at 15838,12048 h25 r90; SYMBOL_PART_DIM "PAD 35X32 OV" at 15888,12048 h25 r90
R115: PIN_NUMBER "1" at 11813,14102.5 h30 r90; PIN_NUMBER "2" at 11813,13847.5 h30 r90; SYMB_DIM "65X125REC" at 12102,14105 h35.9 r90; SYMB_DIM "R2512-65x125" at 11513,14131 h35.9 r90
R116: PIN_NUMBER "2" at 11563,14102.5 h30 r270; PIN_NUMBER "1" at 11563,13847.5 h30 r270; SYMB_DIM "65X125REC" at 11298,13845 h35.9 r270; SYMB_DIM "R2512-65x125" at 11887,13819 h35.9 r270
R117: PIN_NUMBER "2" at 13042,13830 h20 r90; PIN_NUMBER "1" at 13042,13870 h20 r90; ASSEMBLY_BOTTOM "USERPART#" at 13200,13850 h25 r90; ASSEMBLY_BOTTOM "TOLERANCE" at 13150,13850 h25 r90; ASSEMBLY_BOTTOM "NO-POP" at 13050,13850 h25 r90; SYMBOL_PART_DIM "0" at 13063,13942 h25 r90; SYMBOL_PART_DIM "0" at 13134,13858 h25 r90; SYMBOL_PART_DIM "C402-35X32" at 13188,13973 h25 r90; SYMBOL_PART_DIM "PAD 35X32 OV" at 13238,13973 h25 r90
R118: PIN_NUMBER "1" at 13054,13815 h40 r90; PIN_NUMBER "2" at 13054,13935 h40 r90; ASSEMBLY_TOP "X" at 13065,13900 h40 r90; ASSEMBLY_TOP "X" at 13070,13870 h40 r90; ASSEMBLY_TOP "0.02" at 13070,13830 h40 r90; SYMB_DIM "0" at 13075,13700 h40 r90; SYMB_DIM "0" at 13200,13850 h40 r90; SYMB_DIM "R1206-40X70" at 12674,13875 h40 r90; SYMB_DIM "SP  40X70OV" at 12999,14300 h40 r90; SYMB_DIM "SM  48X78OV" at 12919,14300 h40 r90; SYMB_DIM "PAD 40X70OV" at 12849,14300 h40 r90
R119: PIN_NUMBER "2" at 11264,13515 h40 r270; PIN_NUMBER "1" at 11264,13635 h40 r270; ASSEMBLY_TOP "X" at 11285,13550 h40 r270; ASSEMBLY_TOP "X" at 11280,13580 h40 r270; ASSEMBLY_TOP "0.02" at 11280,13620 h40 r270; SYMB_DIM "0" at 11275,13750 h40 r270; SYMB_DIM "0" at 11150,13600 h40 r270; SYMB_DIM "R1206-40X70" at 11324,13575 h40 r270; SYMB_DIM "SP  40X70OV" at 10999,13150 h40 r270; SYMB_DIM "SM  48X78OV" at 11079,13150 h40 r270; SYMB_DIM "PAD 40X70OV" at 11149,13150 h40 r270
R120: PIN_NUMBER "1" at 11267,15095 h20 r90; PIN_NUMBER "2" at 11267,15055 h20 r90; ASSEMBLY_BOTTOM "USERPART#" at 11425,15075 h25 r90; ASSEMBLY_BOTTOM "TOLERANCE" at 11375,15075 h25 r90; ASSEMBLY_BOTTOM "15K" at 11275,15075 h25 r90; SYMBOL_PART_DIM "0" at 11288,15167 h25 r90; SYMBOL_PART_DIM "0" at 11359,15083 h25 r90; SYMBOL_PART_DIM "C402-35X32" at 11413,15198 h25 r90; SYMBOL_PART_DIM "PAD 35X32 OV" at 11463,15198 h25 r90
R121: PIN_NUMBER "2" at 12267,11380 h20 r90; PIN_NUMBER "1" at 12267,11420 h20 r90; ASSEMBLY_BOTTOM "USERPART#" at 12425,11400 h25 r90; ASSEMBLY_BOTTOM "TOLERANCE" at 12375,11400 h25 r90; ASSEMBLY_BOTTOM "2K" at 12275,11400 h25 r90; SYMBOL_PART_DIM "0" at 12288,11492 h25 r90; SYMBOL_PART_DIM "0" at 12359,11408 h25 r90; SYMBOL_PART_DIM "C402-35X32" at 12413,11523 h25 r90; SYMBOL_PART_DIM "PAD 35X32 OV" at 12463,11523 h25 r90
R122: PIN_NUMBER "2" at 12317,11380 h20 r90; PIN_NUMBER "1" at 12317,11420 h20 r90; ASSEMBLY_BOTTOM "USERPART#" at 12475,11400 h25 r90; ASSEMBLY_BOTTOM "TOLERANCE" at 12425,11400 h25 r90; ASSEMBLY_BOTTOM "2K" at 12325,11400 h25 r90; SYMBOL_PART_DIM "0" at 12338,11492 h25 r90; SYMBOL_PART_DIM "0" at 12409,11408 h25 r90; SYMBOL_PART_DIM "C402-35X32" at 12463,11523 h25 r90; SYMBOL_PART_DIM "PAD 35X32 OV" at 12513,11523 h25 r90
R123: PIN_NUMBER "2" at 12367,11380 h20 r90; PIN_NUMBER "1" at 12367,11420 h20 r90; ASSEMBLY_BOTTOM "USERPART#" at 12525,11400 h25 r90; ASSEMBLY_BOTTOM "TOLERANCE" at 12475,11400 h25 r90; ASSEMBLY_BOTTOM "2K" at 12375,11400 h25 r90; SYMBOL_PART_DIM "0" at 12388,11492 h25 r90; SYMBOL_PART_DIM "0" at 12459,11408 h25 r90; SYMBOL_PART_DIM "C402-35X32" at 12513,11523 h25 r90; SYMBOL_PART_DIM "PAD 35X32 OV" at 12563,11523 h25 r90
R124: PIN_NUMBER "1" at 12467,11565 h20 r270; PIN_NUMBER "2" at 12467,11605 h20 r270; ASSEMBLY_BOTTOM "USERPART#" at 12325,11585 h25 r270; ASSEMBLY_BOTTOM "TOLERANCE" at 12375,11585 h25 r270; ASSEMBLY_BOTTOM "20K" at 12475,11585 h25 r270; SYMBOL_PART_DIM "0" at 12462,11493 h25 r270; SYMBOL_PART_DIM "0" at 12391,11577 h25 r270; SYMBOL_PART_DIM "C402-35X32" at 12337,11462 h25 r270; SYMBOL_PART_DIM "PAD 35X32 OV" at 12287,11462 h25 r270
R125: PIN_NUMBER "2" at 12417,11380 h20 r90; PIN_NUMBER "1" at 12417,11420 h20 r90; ASSEMBLY_BOTTOM "USERPART#" at 12575,11400 h25 r90; ASSEMBLY_BOTTOM "TOLERANCE" at 12525,11400 h25 r90; ASSEMBLY_BOTTOM "2K" at 12425,11400 h25 r90; SYMBOL_PART_DIM "0" at 12438,11492 h25 r90; SYMBOL_PART_DIM "0" at 12509,11408 h25 r90; SYMBOL_PART_DIM "C402-35X32" at 12563,11523 h25 r90; SYMBOL_PART_DIM "PAD 35X32 OV" at 12613,11523 h25 r90
R126: PIN_NUMBER "2" at 12467,11420 h20 r270; PIN_NUMBER "1" at 12467,11380 h20 r270; ASSEMBLY_BOTTOM "USERPART#" at 12325,11400 h25 r270; ASSEMBLY_BOTTOM "TOLERANCE" at 12375,11400 h25 r270; ASSEMBLY_BOTTOM "2K" at 12475,11400 h25 r270; SYMBOL_PART_DIM "0" at 12462,11308 h25 r270; SYMBOL_PART_DIM "0" at 12391,11392 h25 r270; SYMBOL_PART_DIM "C402-35X32" at 12337,11277 h25 r270; SYMBOL_PART_DIM "PAD 35X32 OV" at 12287,11277 h25 r270
R127: PIN_NUMBER "2" at 12267,11565 h20 r90; PIN_NUMBER "1" at 12267,11605 h20 r90; ASSEMBLY_BOTTOM "USERPART#" at 12425,11585 h25 r90; ASSEMBLY_BOTTOM "TOLERANCE" at 12375,11585 h25 r90; ASSEMBLY_BOTTOM "20K" at 12275,11585 h25 r90; SYMBOL_PART_DIM "0" at 12288,11677 h25 r90; SYMBOL_PART_DIM "0" at 12359,11593 h25 r90; SYMBOL_PART_DIM "C402-35X32" at 12413,11708 h25 r90; SYMBOL_PART_DIM "PAD 35X32 OV" at 12463,11708 h25 r90
R128: PIN_NUMBER "2" at 12317,11565 h20 r90; PIN_NUMBER "1" at 12317,11605 h20 r90; ASSEMBLY_BOTTOM "USERPART#" at 12475,11585 h25 r90; ASSEMBLY_BOTTOM "TOLERANCE" at 12425,11585 h25 r90; ASSEMBLY_BOTTOM "20K" at 12325,11585 h25 r90; SYMBOL_PART_DIM "0" at 12338,11677 h25 r90; SYMBOL_PART_DIM "0" at 12409,11593 h25 r90; SYMBOL_PART_DIM "C402-35X32" at 12463,11708 h25 r90; SYMBOL_PART_DIM "PAD 35X32 OV" at 12513,11708 h25 r90
R129: PIN_NUMBER "2" at 12367,11565 h20 r90; PIN_NUMBER "1" at 12367,11605 h20 r90; ASSEMBLY_BOTTOM "USERPART#" at 12525,11585 h25 r90; ASSEMBLY_BOTTOM "TOLERANCE" at 12475,11585 h25 r90; ASSEMBLY_BOTTOM "20K" at 12375,11585 h25 r90; SYMBOL_PART_DIM "0" at 12388,11677 h25 r90; SYMBOL_PART_DIM "0" at 12459,11593 h25 r90; SYMBOL_PART_DIM "C402-35X32" at 12513,11708 h25 r90; SYMBOL_PART_DIM "PAD 35X32 OV" at 12563,11708 h25 r90
R130: PIN_NUMBER "2" at 12417,11565 h20 r90; PIN_NUMBER "1" at 12417,11605 h20 r90; ASSEMBLY_BOTTOM "USERPART#" at 12575,11585 h25 r90; ASSEMBLY_BOTTOM "TOLERANCE" at 12525,11585 h25 r90; ASSEMBLY_BOTTOM "20K" at 12425,11585 h25 r90; SYMBOL_PART_DIM "0" at 12438,11677 h25 r90; SYMBOL_PART_DIM "0" at 12509,11593 h25 r90; SYMBOL_PART_DIM "C402-35X32" at 12563,11708 h25 r90; SYMBOL_PART_DIM "PAD 35X32 OV" at 12613,11708 h25 r90
R131: PIN_NUMBER "2" at 11417,11405 h20 r90; PIN_NUMBER "1" at 11417,11445 h20 r90; ASSEMBLY_BOTTOM "USERPART#" at 11575,11425 h25 r90; ASSEMBLY_BOTTOM "TOLERANCE" at 11525,11425 h25 r90; ASSEMBLY_BOTTOM "10K" at 11425,11425 h25 r90; SYMBOL_PART_DIM "0" at 11438,11517 h25 r90; SYMBOL_PART_DIM "0" at 11509,11433 h25 r90; SYMBOL_PART_DIM "C402-35X32" at 11563,11548 h25 r90; SYMBOL_PART_DIM "PAD 35X32 OV" at 11613,11548 h25 r90
R132: PIN_NUMBER "2" at 11762,11800 h20 r180; PIN_NUMBER "1" at 11722,11800 h20 r180; ASSEMBLY_BOTTOM "USERPART#" at 11750,11950 h25 r180; ASSEMBLY_BOTTOM "TOLERANCE" at 11750,11900 h25 r180; ASSEMBLY_BOTTOM "10K" at 11750,11800 h25 r180; SYMBOL_PART_DIM "0" at 11658,11813 h25 r180; SYMBOL_PART_DIM "0" at 11742,11884 h25 r180; SYMBOL_PART_DIM "C402-35X32" at 11627,11938 h25 r180; SYMBOL_PART_DIM "PAD 35X32 OV" at 11627,11988 h25 r180
R133: PIN_NUMBER "1" at 11417,12105 h20 r270; PIN_NUMBER "2" at 11417,12145 h20 r270; ASSEMBLY_BOTTOM "USERPART#" at 11275,12125 h25 r270; ASSEMBLY_BOTTOM "TOLERANCE" at 11325,12125 h25 r270; ASSEMBLY_BOTTOM "10K" at 11425,12125 h25 r270; SYMBOL_PART_DIM "0" at 11412,12033 h25 r270; SYMBOL_PART_DIM "0" at 11341,12117 h25 r270; SYMBOL_PART_DIM "C402-35X32" at 11287,12002 h25 r270; SYMBOL_PART_DIM "PAD 35X32 OV" at 11237,12002 h25 r270
R134: PIN_NUMBER "1" at 11492,12105 h20 r270; PIN_NUMBER "2" at 11492,12145 h20 r270; ASSEMBLY_BOTTOM "USERPART#" at 11350,12125 h25 r270; ASSEMBLY_BOTTOM "TOLERANCE" at 11400,12125 h25 r270; ASSEMBLY_BOTTOM "10K" at 11500,12125 h25 r270; SYMBOL_PART_DIM "0" at 11487,12033 h25 r270; SYMBOL_PART_DIM "0" at 11416,12117 h25 r270; SYMBOL_PART_DIM "C402-35X32" at 11362,12002 h25 r270; SYMBOL_PART_DIM "PAD 35X32 OV" at 11312,12002 h25 r270
R135: PIN_NUMBER "1" at 11542,12105 h20 r270; PIN_NUMBER "2" at 11542,12145 h20 r270; ASSEMBLY_BOTTOM "USERPART#" at 11400,12125 h25 r270; ASSEMBLY_BOTTOM "TOLERANCE" at 11450,12125 h25 r270; ASSEMBLY_BOTTOM "10K" at 11550,12125 h25 r270; SYMBOL_PART_DIM "0" at 11537,12033 h25 r270; SYMBOL_PART_DIM "0" at 11466,12117 h25 r270; SYMBOL_PART_DIM "C402-35X32" at 11412,12002 h25 r270; SYMBOL_PART_DIM "PAD 35X32 OV" at 11362,12002 h25 r270
R136: PIN_NUMBER "1" at 11617,12105 h20 r270; PIN_NUMBER "2" at 11617,12145 h20 r270; ASSEMBLY_BOTTOM "USERPART#" at 11475,12125 h25 r270; ASSEMBLY_BOTTOM "TOLERANCE" at 11525,12125 h25 r270; ASSEMBLY_BOTTOM "10K" at 11625,12125 h25 r270; SYMBOL_PART_DIM "0" at 11612,12033 h25 r270; SYMBOL_PART_DIM "0" at 11541,12117 h25 r270; SYMBOL_PART_DIM "C402-35X32" at 11487,12002 h25 r270; SYMBOL_PART_DIM "PAD 35X32 OV" at 11437,12002 h25 r270
R137: PIN_NUMBER "2" at 11267,12205 h20 r90; PIN_NUMBER "1" at 11267,12245 h20 r90; ASSEMBLY_BOTTOM "USERPART#" at 11425,12225 h25 r90; ASSEMBLY_BOTTOM "TOLERANCE" at 11375,12225 h25 r90; ASSEMBLY_BOTTOM "2K" at 11275,12225 h25 r90; SYMBOL_PART_DIM "0" at 11288,12317 h25 r90; SYMBOL_PART_DIM "0" at 11359,12233 h25 r90; SYMBOL_PART_DIM "C402-35X32" at 11413,12348 h25 r90; SYMBOL_PART_DIM "PAD 35X32 OV" at 11463,12348 h25 r90
R138: PIN_NUMBER "2" at 11867,11930 h20 r90; PIN_NUMBER "1" at 11867,11970 h20 r90; ASSEMBLY_BOTTOM "USERPART#" at 12025,11950 h25 r90; ASSEMBLY_BOTTOM "TOLERANCE" at 11975,11950 h25 r90; ASSEMBLY_BOTTOM "NO-POP" at 11875,11950 h25 r90; SYMBOL_PART_DIM "0" at 11888,12042 h25 r90; SYMBOL_PART_DIM "0" at 11959,11958 h25 r90; SYMBOL_PART_DIM "C402-35X32" at 12013,12073 h25 r90; SYMBOL_PART_DIM "PAD 35X32 OV" at 12063,12073 h25 r90
R139: PIN_NUMBER "2" at 11947,12075 h20; PIN_NUMBER "1" at 11987,12075 h20; ASSEMBLY_BOTTOM "USERPART#" at 11975,11925 h25; ASSEMBLY_BOTTOM "TOLERANCE" at 11975,11975 h25; ASSEMBLY_BOTTOM "NO-POP" at 11975,12075 h25; SYMBOL_PART_DIM "0" at 12067,12062 h25; SYMBOL_PART_DIM "0" at 11983,11991 h25; SYMBOL_PART_DIM "C402-35X32" at 12098,11937 h25; SYMBOL_PART_DIM "PAD 35X32 OV" at 12098,11887 h25
R140: PIN_NUMBER "2" at 11967,11930 h20 r90; PIN_NUMBER "1" at 11967,11970 h20 r90; ASSEMBLY_BOTTOM "USERPART#" at 12125,11950 h25 r90; ASSEMBLY_BOTTOM "TOLERANCE" at 12075,11950 h25 r90; ASSEMBLY_BOTTOM "NO-POP" at 11975,11950 h25 r90; SYMBOL_PART_DIM "0" at 11988,12042 h25 r90; SYMBOL_PART_DIM "0" at 12059,11958 h25 r90; SYMBOL_PART_DIM "C402-35X32" at 12113,12073 h25 r90; SYMBOL_PART_DIM "PAD 35X32 OV" at 12163,12073 h25 r90
R141: PIN_NUMBER "2" at 11817,11970 h20 r270; PIN_NUMBER "1" at 11817,11930 h20 r270; ASSEMBLY_BOTTOM "USERPART#" at 11675,11950 h25 r270; ASSEMBLY_BOTTOM "TOLERANCE" at 11725,11950 h25 r270; ASSEMBLY_BOTTOM "0" at 11825,11950 h25 r270; SYMBOL_PART_DIM "0" at 11812,11858 h25 r270; SYMBOL_PART_DIM "0" at 11741,11942 h25 r270; SYMBOL_PART_DIM "C402-35X32" at 11687,11827 h25 r270; SYMBOL_PART_DIM "PAD 35X32 OV" at 11637,11827 h25 r270
R142: PIN_NUMBER "2" at 11847,12075 h20; PIN_NUMBER "1" at 11887,12075 h20; ASSEMBLY_BOTTOM "USERPART#" at 11875,11925 h25; ASSEMBLY_BOTTOM "TOLERANCE" at 11875,11975 h25; ASSEMBLY_BOTTOM "0" at 11875,12075 h25; SYMBOL_PART_DIM "0" at 11967,12062 h25; SYMBOL_PART_DIM "0" at 11883,11991 h25; SYMBOL_PART_DIM "C402-35X32" at 11998,11937 h25; SYMBOL_PART_DIM "PAD 35X32 OV" at 11998,11887 h25
R143: PIN_NUMBER "2" at 12017,11970 h20 r270; PIN_NUMBER "1" at 12017,11930 h20 r270; ASSEMBLY_BOTTOM "USERPART#" at 11875,11950 h25 r270; ASSEMBLY_BOTTOM "TOLERANCE" at 11925,11950 h25 r270; ASSEMBLY_BOTTOM "NO-POP" at 12025,11950 h25 r270; SYMBOL_PART_DIM "0" at 12012,11858 h25 r270; SYMBOL_PART_DIM "0" at 11941,11942 h25 r270; SYMBOL_PART_DIM "C402-35X32" at 11887,11827 h25 r270; SYMBOL_PART_DIM "PAD 35X32 OV" at 11837,11827 h25 r270
R144: PIN_NUMBER "2" at 14492,11545 h20 r270; PIN_NUMBER "1" at 14492,11505 h20 r270; ASSEMBLY_BOTTOM "USERPART#" at 14350,11525 h25 r270; ASSEMBLY_BOTTOM "TOLERANCE" at 14400,11525 h25 r270; ASSEMBLY_BOTTOM "330" at 14500,11525 h25 r270; SYMBOL_PART_DIM "0" at 14487,11433 h25 r270; SYMBOL_PART_DIM "0" at 14416,11517 h25 r270; SYMBOL_PART_DIM "C402-35X32" at 14362,11402 h25 r270; SYMBOL_PART_DIM "PAD 35X32 OV" at 14312,11402 h25 r270
R145: PIN_NUMBER "2" at 14592,11545 h20 r270; PIN_NUMBER "1" at 14592,11505 h20 r270; ASSEMBLY_BOTTOM "USERPART#" at 14450,11525 h25 r270; ASSEMBLY_BOTTOM "TOLERANCE" at 14500,11525 h25 r270; ASSEMBLY_BOTTOM "330" at 14600,11525 h25 r270; SYMBOL_PART_DIM "0" at 14587,11433 h25 r270; SYMBOL_PART_DIM "0" at 14516,11517 h25 r270; SYMBOL_PART_DIM "C402-35X32" at 14462,11402 h25 r270; SYMBOL_PART_DIM "PAD 35X32 OV" at 14412,11402 h25 r270
R146: PIN_NUMBER "2" at 14692,11545 h20 r270; PIN_NUMBER "1" at 14692,11505 h20 r270; ASSEMBLY_BOTTOM "USERPART#" at 14550,11525 h25 r270; ASSEMBLY_BOTTOM "TOLERANCE" at 14600,11525 h25 r270; ASSEMBLY_BOTTOM "330" at 14700,11525 h25 r270; SYMBOL_PART_DIM "0" at 14687,11433 h25 r270; SYMBOL_PART_DIM "0" at 14616,11517 h25 r270; SYMBOL_PART_DIM "C402-35X32" at 14562,11402 h25 r270; SYMBOL_PART_DIM "PAD 35X32 OV" at 14512,11402 h25 r270
R147: PIN_NUMBER "2" at 14792,11545 h20 r270; PIN_NUMBER "1" at 14792,11505 h20 r270; ASSEMBLY_BOTTOM "USERPART#" at 14650,11525 h25 r270; ASSEMBLY_BOTTOM "TOLERANCE" at 14700,11525 h25 r270; ASSEMBLY_BOTTOM "330" at 14800,11525 h25 r270; SYMBOL_PART_DIM "0" at 14787,11433 h25 r270; SYMBOL_PART_DIM "0" at 14716,11517 h25 r270; SYMBOL_PART_DIM "C402-35X32" at 14662,11402 h25 r270; SYMBOL_PART_DIM "PAD 35X32 OV" at 14612,11402 h25 r270
R148: PIN_NUMBER "2" at 16117,11480 h20 r90; PIN_NUMBER "1" at 16117,11440 h20 r90; ASSEMBLY_TOP "USERPART#" at 16275,11460 h25 r90; ASSEMBLY_TOP "TOLERANCE" at 16225,11460 h25 r90; ASSEMBLY_TOP "10K" at 16125,11460 h25 r90; SYMBOL_PART_DIM "0" at 16138,11368 h25 r90; SYMBOL_PART_DIM "0" at 16209,11452 h25 r90; SYMBOL_PART_DIM "C402-35X32" at 16263,11337 h25 r90; SYMBOL_PART_DIM "PAD 35X32 OV" at 16313,11337 h25 r90
R149: PIN_NUMBER "2" at 16117,11340 h20 r270; PIN_NUMBER "1" at 16117,11380 h20 r270; ASSEMBLY_TOP "USERPART#" at 15975,11360 h25 r270; ASSEMBLY_TOP "TOLERANCE" at 16025,11360 h25 r270; ASSEMBLY_TOP "10K" at 16125,11360 h25 r270; SYMBOL_PART_DIM "0" at 16112,11452 h25 r270; SYMBOL_PART_DIM "0" at 16041,11368 h25 r270; SYMBOL_PART_DIM "C402-35X32" at 15987,11483 h25 r270; SYMBOL_PART_DIM "PAD 35X32 OV" at 15937,11483 h25 r270
R150: PIN_NUMBER "1" at 17172,14570 h20 r180; PIN_NUMBER "2" at 17212,14570 h20 r180; ASSEMBLY_BOTTOM "USERPART#" at 17200,14720 h25 r180; ASSEMBLY_BOTTOM "TOLERANCE" at 17200,14670 h25 r180; ASSEMBLY_BOTTOM "10K" at 17200,14570 h25 r180; SYMBOL_PART_DIM "0" at 17108,14583 h25 r180; SYMBOL_PART_DIM "0" at 17192,14654 h25 r180; SYMBOL_PART_DIM "C402-35X32" at 17077,14708 h25 r180; SYMBOL_PART_DIM "PAD 35X32 OV" at 17077,14758 h25 r180
R151: PIN_NUMBER "2" at 12712,11600 h20 r180; PIN_NUMBER "1" at 12672,11600 h20 r180; ASSEMBLY_BOTTOM "USERPART#" at 12700,11750 h25 r180; ASSEMBLY_BOTTOM "TOLERANCE" at 12700,11700 h25 r180; ASSEMBLY_BOTTOM "2K" at 12700,11600 h25 r180; SYMBOL_PART_DIM "0" at 12608,11613 h25 r180; SYMBOL_PART_DIM "0" at 12692,11684 h25 r180; SYMBOL_PART_DIM "C402-35X32" at 12577,11738 h25 r180; SYMBOL_PART_DIM "PAD 35X32 OV" at 12577,11788 h25 r180
R152: PIN_NUMBER "2" at 13722,11955 h20 r180; PIN_NUMBER "1" at 13682,11955 h20 r180; ASSEMBLY_BOTTOM "USERPART#" at 13710,12105 h25 r180; ASSEMBLY_BOTTOM "TOLERANCE" at 13710,12055 h25 r180; ASSEMBLY_BOTTOM "360" at 13710,11955 h25 r180; SYMBOL_PART_DIM "0" at 13618,11968 h25 r180; SYMBOL_PART_DIM "0" at 13702,12039 h25 r180; SYMBOL_PART_DIM "C402-35X32" at 13587,12093 h25 r180; SYMBOL_PART_DIM "PAD 35X32 OV" at 13587,12143 h25 r180
R153: PIN_NUMBER "2" at 13317,11420 h20 r270; PIN_NUMBER "1" at 13317,11380 h20 r270; ASSEMBLY_BOTTOM "USERPART#" at 13175,11400 h25 r270; ASSEMBLY_BOTTOM "TOLERANCE" at 13225,11400 h25 r270; ASSEMBLY_BOTTOM "360" at 13325,11400 h25 r270; SYMBOL_PART_DIM "0" at 13312,11308 h25 r270; SYMBOL_PART_DIM "0" at 13241,11392 h25 r270; SYMBOL_PART_DIM "C402-35X32" at 13187,11277 h25 r270; SYMBOL_PART_DIM "PAD 35X32 OV" at 13137,11277 h25 r270
R154: PIN_NUMBER "1" at 15809,11505 h40 r90; PIN_NUMBER "2" at 15809,11445 h40 r90; SYMB_DIM "PAD 35X45OV" at 15750,11290 h40 r90; SYMB_DIM "SM  43X53OV" at 15810,11290 h40 r90; SYMB_DIM "SP  35X45OV" at 15880,11290 h40 r90; SYMB_DIM "R603-35X45" at 15635,11685 h40 r90; SYMB_DIM "0" at 15965,11495 h40 r90; SYMB_DIM "0" at 15845,11620 h40 r90; ASSEMBLY_BOTTOM "51K" at 15840,11500 h40 r90; ASSEMBLY_BOTTOM "X" at 15840,11470 h40 r90; ASSEMBLY_BOTTOM "X" at 15840,11435 h40 r90
R155: PIN_NUMBER "2" at 15659,11445 h40 r90; PIN_NUMBER "1" at 15659,11505 h40 r90; SYMB_DIM "PAD 35X45OV" at 15600,11290 h40 r90; SYMB_DIM "SM  43X53OV" at 15660,11290 h40 r90; SYMB_DIM "SP  35X45OV" at 15730,11290 h40 r90; SYMB_DIM "R603-35X45" at 15485,11685 h40 r90; SYMB_DIM "0" at 15815,11495 h40 r90; SYMB_DIM "0" at 15695,11620 h40 r90; ASSEMBLY_BOTTOM "51K" at 15690,11500 h40 r90; ASSEMBLY_BOTTOM "X" at 15690,11470 h40 r90; ASSEMBLY_BOTTOM "X" at 15690,11435 h40 r90
R156: PIN_NUMBER "2" at 15509,11445 h40 r90; PIN_NUMBER "1" at 15509,11505 h40 r90; SYMB_DIM "PAD 35X45OV" at 15450,11290 h40 r90; SYMB_DIM "SM  43X53OV" at 15510,11290 h40 r90; SYMB_DIM "SP  35X45OV" at 15580,11290 h40 r90; SYMB_DIM "R603-35X45" at 15335,11685 h40 r90; SYMB_DIM "0" at 15665,11495 h40 r90; SYMB_DIM "0" at 15545,11620 h40 r90; ASSEMBLY_BOTTOM "51K" at 15540,11500 h40 r90; ASSEMBLY_BOTTOM "X" at 15540,11470 h40 r90; ASSEMBLY_BOTTOM "X" at 15540,11435 h40 r90
R157: PIN_NUMBER "2" at 15584,11445 h40 r90; PIN_NUMBER "1" at 15584,11505 h40 r90; SYMB_DIM "PAD 35X45OV" at 15525,11290 h40 r90; SYMB_DIM "SM  43X53OV" at 15585,11290 h40 r90; SYMB_DIM "SP  35X45OV" at 15655,11290 h40 r90; SYMB_DIM "R603-35X45" at 15410,11685 h40 r90; SYMB_DIM "0" at 15740,11495 h40 r90; SYMB_DIM "0" at 15620,11620 h40 r90; ASSEMBLY_BOTTOM "51K" at 15615,11500 h40 r90; ASSEMBLY_BOTTOM "X" at 15615,11470 h40 r90; ASSEMBLY_BOTTOM "X" at 15615,11435 h40 r90
R158: PIN_NUMBER "2" at 15109,11480 h40 r270; PIN_NUMBER "1" at 15109,11420 h40 r270; SYMB_DIM "PAD 35X45OV" at 15200,11635 h40 r270; SYMB_DIM "SM  43X53OV" at 15140,11635 h40 r270; SYMB_DIM "SP  35X45OV" at 15070,11635 h40 r270; SYMB_DIM "R603-35X45" at 15315,11240 h40 r270; SYMB_DIM "0" at 14985,11430 h40 r270; SYMB_DIM "0" at 15105,11305 h40 r270; ASSEMBLY_BOTTOM "51K" at 15110,11425 h40 r270; ASSEMBLY_BOTTOM "X" at 15110,11455 h40 r270; ASSEMBLY_BOTTOM "X" at 15110,11490 h40 r270